# Altium PCB STM PCB.PcbDoc (part 2 of 3) (continued)
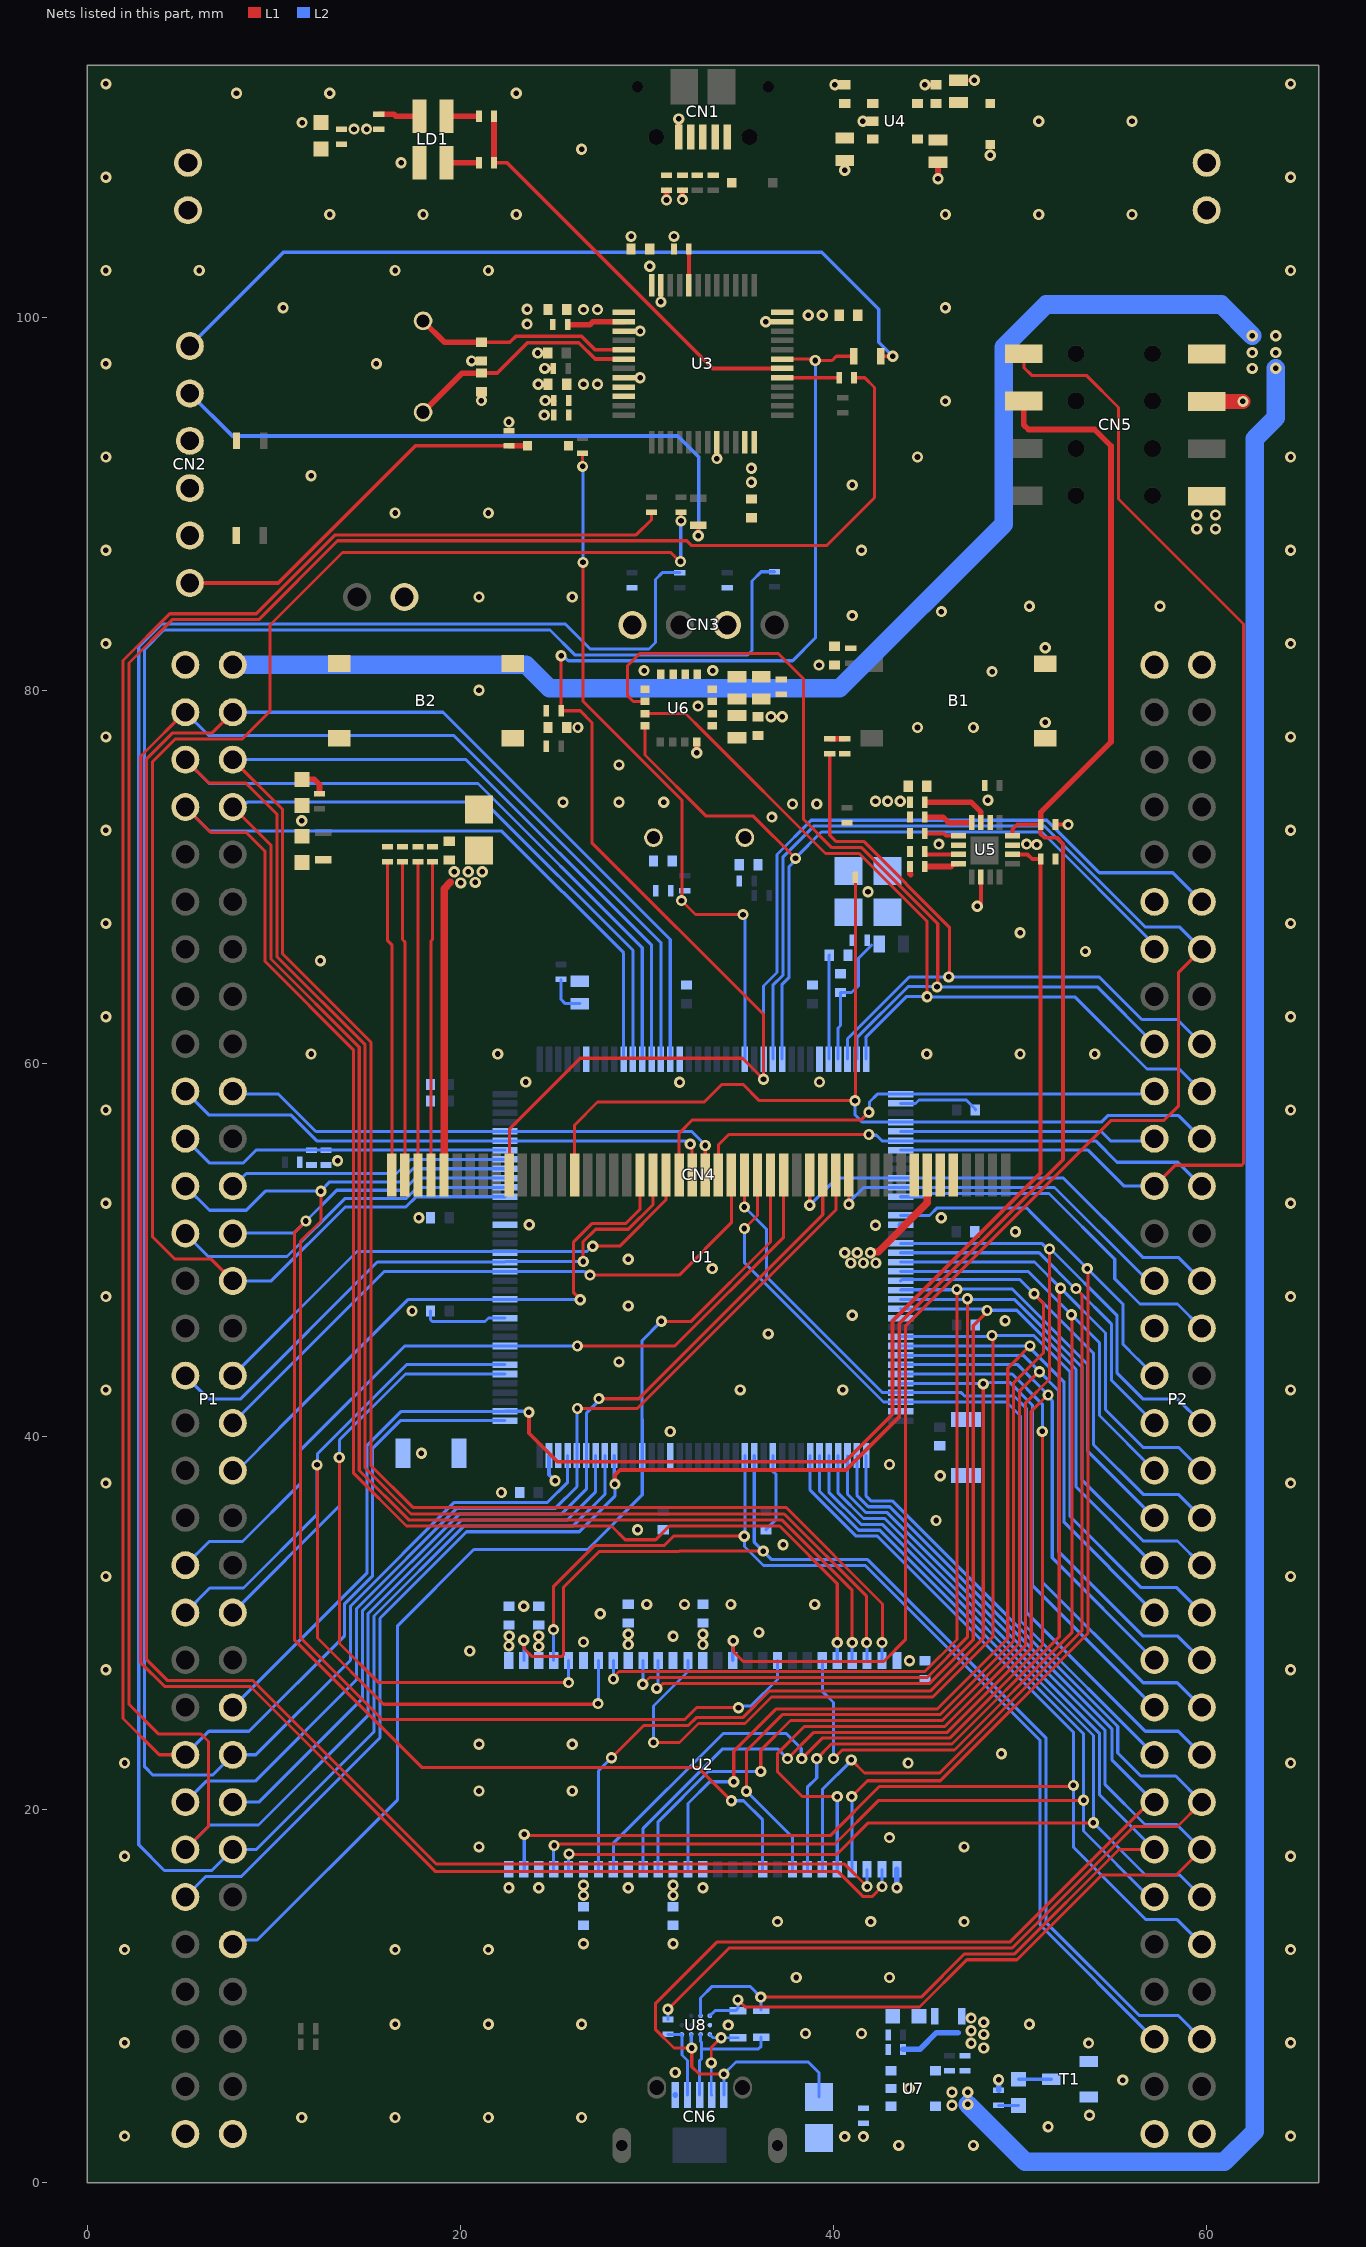
[diagram p4: the nets of this part, all layers, seen from the top]
## Nets (pads, with @x,y where several pads share a name; then routed paths per layer and width w, separated by ;. In a path a pad name is that pad's centre, name@x,y a point inside that pad or via, vN(x,y) a via of type N, cw(c..) or ccw(c..) an arc to the next point about the centre after c; other vN are vias at no path point)
3V: C23.2 C24.2 C25.2 C26.2 C27.2 C28.2 C29.2 C38.2 C39.2 C40.2 C41.2 C42.2 C43.2 C44.2 C45.2 C46.2 C52.2 CN3.1 CN4.6 CN4.7 CN4.8 CN4.44 CN5.5 D1.1 JP3.1 P2.1 P2.2 R4.2 R6.1 R12.2 R13.2 R24.2 R25.2 R26.2 R29.1 R38.2 R39.2 R40.2 R43.2 SB10.2 SB15.2 U2.1 U2.3 U2.9 U2.14 U2.27 U2.43 U2.49 U3.1 U3.9 U3.24 U3.36 U3.48 U5.3 U5.6 U5.14 U6.1 U6.15 U6.16 | length 29.7
  L1 w0.2: v1(47.7,68.425) 47.9,68.625 U5.14@47.9,70 ; R24.2@51.9,72.8 v1(52.575,72.8)
  L1 w0.3: v1(24.525,97.25) R4.2@24.975,97.25 ; v1(24.55,95.525) R6.1@25,95.525 ; v1(31.9,106.3) R12.2@31.9,106.8 ; v1(32.675,76.65) U6.1@32.675,77.225
  L1 w0.4: CN4.44@19.125,54.025 19.125,69.37 19.453,69.698 ; v1(41.977,49.85) 42.015,49.888 42.388,49.888 45.025,52.525 CN4.7@45.025,54.025
  L2 w0.3: R40.2@43.725,7.15 44.625,7.15 45.525,8.05 46.675,8.05 ; R43.2@48.85,4.95 v1(48.85,5.525)
  other v1: 48.05,7.225 47.375,7.475 48.05,7.95 47.375,8.15 48.05,8.6 47.375,8.825 26.6,15.4 31.4,15.4 26.6,15.95 31.4,15.95 44.075,27.975 24.2,28.75 22.6,28.775 29,28.85 33,28.85 22.625,29.3 24.2,29.3 29,29.4 33,29.4 40.925,49.3 41.6,49.3 42.275,49.3 40.6,49.85 41.275,49.85 20.025,69.675 20.8,69.7 19.675,70.275 20.425,70.275 21.175,70.275 50.897,71.725 50.35,71.75 42.25,74.05 42.9,74.05 43.575,74.05 48.275,74.1 36.65,78.575 37.25,78.575 59.475,88.65 60.475,88.65 59.475,89.4 60.475,89.4 35.6,91.15 35.6,91.9 26.6,96.4 27.35,96.4 38.65,100.1 39.4,100.1 26.6,100.4 27.35,100.4 30.15,102.725 48.4,108.675 14.3,110.075 14.975,110.075
5V: CN5.8 P1.1 P1.2 U7.5 | length 182.2
  L2 w1: P1.2@7.8,81.36 23.515,81.36 24.775,80.1 40.325,80.1 49.125,88.9 49.125,98.4 51.4,100.675 60.775,100.675 v1(62.45,99) ; v1(47.2,4.2) 50.275,1.125 60.95,1.125 62.575,2.75 62.575,93.475 63.701,94.601 v1(63.701,97.257)
  other v1: 46.35,4.15 46.35,4.85 47.2,4.85 62.45,97.25 62.45,98.1 63.7,98.1 63.7,99
A0: P1.7 U1.10 U2.23 | length 106.1
  L1 w0.165: P1.7@5.26,73.74 6.625,72.375 8.525,72.375 9.53,71.37 9.53,65.468 14.265,60.733 14.265,38.049 17.114,35.2 28.1,35.2 28.833,34.468 30.467,34.468 31.2,35.2 37.114,35.2 40.2,32.114 v1(40.2,28.95)
  L2 w0.165: P1.7@5.26,73.74 6.55,72.45 22.223,72.45 28.75,65.923 U1.10@28.75,60.225 ; U2.23@40.2,28 v1(40.2,28.95)
A1: P1.8 U1.11 U2.24 | length 101.9
  L1 w0.165: P1.8@7.8,73.74 9.845,71.695 9.845,65.598 14.58,60.863 14.58,38.179 17.227,35.533 37.227,35.533 41,31.759 v1(41,28.95)
  L2 w0.165: P1.8@7.8,73.74 8.03,73.97 8.545,73.97 8.576,74 21.309,74 29.25,66.059 U1.11@29.25,60.225 ; U2.24@41,28 v1(41,28.95)
A2: P1.5 U1.12 U2.25 | length 110.9
  L1 w0.165: P1.5@5.26,76.28 6.515,75.025 8.5,75.025 10.16,73.365 10.16,65.729 14.895,60.994 14.895,38.31 17.357,35.848 37.357,35.848 41.775,31.43 v1(41.775,28.95)
  L2 w0.165: P1.5@5.26,76.28 6.54,75 20.946,75 29.75,66.196 U1.12@29.75,60.225 ; v1(41.775,28.95) 41.8,28.925 U2.25@41.8,28
A3: P1.6 U1.13 U2.26 | length 107.1
  L1 w0.165: P1.6@7.8,76.28 10.475,73.605 10.475,65.859 15.21,61.124 15.21,38.44 17.45,36.2 37.45,36.2 42.625,31.025 42.625,28.975 v1(42.6,28.95)
  L2 w0.165: P1.6@7.8,76.28 20.302,76.28 30.25,66.332 U1.13@30.25,60.225 ; U2.26@42.6,28 v1(42.6,28.95)
A4: P1.3 U1.14 U2.29 | length 134.9
  L1 w0.165: P1.3@5.26,78.82 5.225,78.82 3.045,76.64 2.87,76.465 2.87,27.88 4.15,26.6 8.75,26.6 18.675,16.675 40.247,16.675 41.587,15.335 42.06,15.335 v1(42.604,15.879)
  L2 w0.165: P1.3@5.26,78.82 6.505,77.575 19.643,77.575 30.75,66.468 U1.14@30.75,60.225 ; v1@42.6,15.882 U2.29@42.6,16.8
A5: P1.4 U1.15 U2.30 | length 133.4
  L1 w0.165: P1.4@7.8,78.82 6.68,77.7 4.55,77.7 3.185,76.335 3.185,28.04 4.31,26.915 8.885,26.915 18.725,17.075 40.6,17.075 v1(41.8,15.875)
  L2 w0.165: P1.4@7.8,78.82 19.07,78.82 31.25,66.64 U1.15@31.25,60.225 ; v1(41.8,15.875) U2.30@41.8,16.8
A6: P2.31 U1.50 U2.31 | length 58.5
  L1 w0.165: v1(40.975,20.7) 41.825,21.55 45.728,21.55 53.637,29.459 53.637,48.963 v1(53.6,49)
  L2 w0.165: v1(40.975,20.7) 41,20.675 U2.31@41,16.8 ; U1.50@43.6,51.85 45.147,51.85 45.554,52.257 50.343,52.257 50.654,51.946 v1(53.6,49) 55.525,47.075 55.525,44.93 56.27,44.185 56.275,44.185 P2.31@57.2,43.26
A7: P2.34 U1.53 U2.32 | length 68
  L1 w0.165: v1(40.2,20.7) 38.325,20.7 37.004,22.021 37.004,23.029 38.435,24.46 45.965,24.46 50.285,28.78 50.285,41.788 51.577,43.08 v1(51.577,50.048)
  L2 w0.165: U2.32@40.2,16.8 v1(40.2,20.7) ; U1.53@43.6,50.35 51.157,50.35 51.459,50.048 v1(51.577,50.048) ; v1@51.628,50.05 55.205,46.473 55.205,43.395 56.6,42 58.46,42 P2.34@59.74,40.72
A8: P2.33 U1.54 U2.33 | length 60
  L1 w0.165: v1(40.95,22.667) 40.958,22.667 41.658,21.967 45.7,21.967 53.322,29.589 53.322,47.436 53.322,47.603 v1(53,47.925)
  L2 w0.165: U2.33@39.4,16.8 39.4,21.075 40.95,22.625 v1(40.95,22.667) ; U1.54@43.6,49.85 51.022,49.85 52.947,47.925 53.05,47.925 53.05,47.875 54.89,46.035 54.89,43.03 P2.33@57.2,40.72
A9: P2.36 U1.55 U2.34 | length 63.7
  L1 w0.165: v1(39.1,22.733) 39.882,23.515 46.356,23.515 52.1,29.259 52.1,47.875 v1(52.172,47.947)
  L2 w0.165: U2.34@38.6,16.8 38.6,21.2 39.1,21.7 v1(39.1,22.733) ; U1.55@43.6,49.35 50.769,49.35 v1(52.172,47.947) ; v1@52.175,47.947 52.175,47.944 54.575,45.544 54.575,41.441 56.616,39.4 58.52,39.4 P2.36@59.74,38.18
A10: P2.35 U1.56 U2.22 | length 58.4
  L1 w0.165: v1(40,22.733) 40.467,23.2 46.487,23.2 52.789,29.502 52.789,46.486 v1(52.75,46.525)
  L2 w0.165: U2.22@39.4,28 39.4,26.343 40,25.743 v1(40,22.733) ; U1.56@43.6,48.85 50.425,48.85 54.255,45.02 54.255,41.125 P2.35@57.2,38.18
A11: P2.38 U1.57 U2.35 | length 67.9
  L1 w0.165: v1(35.334,20.983) 35.334,23.162 37.261,25.09 45.704,25.09 49.655,29.041 49.655,42.883 51.25,44.478 51.25,47.15 v1(50.75,47.65)
  L2 w0.165: v1(35.334,20.983) 37.8,18.517 U2.35@37.8,16.8 ; U1.57@43.6,48.35 43.665,48.415 49.985,48.415 53.94,44.46 53.94,39.56 56.6,36.9 58.48,36.9 P2.38@59.74,35.64
AIN_1: D3.1 R6.2 R7.2 U3.10
B2: CN4.29 P1.36 U1.122 | length 31.6
  L1 w0.165: v1(26.425,47.325) 26.425,47.359 26.055,47.729 26.055,50.405 27.075,51.425 28.875,51.425 29.625,52.175 CN4.29@29.625,54.025
  L2 w0.165: P1.36@8.05,38.175 10.3,40.425 10.3,40.436 17.214,47.35 26.4,47.35 v1(26.425,47.325)
B3: CN4.28 P1.31 U1.126 | length 32.1
  L1 w0.165: v1(26.588,49.382) 26.567,49.403 26.567,50.421 27.257,51.11 29.005,51.11 30.325,52.43 CN4.28@30.325,54.025
  L2 w0.165: P1.31@5.26,43.26 6.52,42 8.2,42 15.55,49.35 U1.126@22.4,49.35 22.438,49.388 26.582,49.388 v1(26.588,49.382)
B4: CN4.27 P1.32 U1.127 | length 28.5
  L1 w0.165: v1(27.1,50.2) 28.541,50.2 31.024,52.683 CN4.27@31.024,54.024
  L2 w0.165: P1.32@7.8,43.26 14.455,49.915 24.785,49.915 26.786,49.915 27.071,50.2 v1(27.1,50.2)
B5: CN4.26 P2.19 U1.37 | length 28.9
  L1 w0.165: CN4.26@31.725,54.025 31.725,56.25 32.445,56.97 41.487,56.97 v1(41.9,57.383)
  L2 w0.165: v1(41.9,57.383) 41.93,57.413 41.93,57.93 42.35,58.35 57.05,58.35 P2.19@57.2,58.5
B6: CN4.25 P1.19 U1.139 | length 29.9
  L1 w0.165: v1(32.323,55.673) 32.323,55.556 32.425,55.454 CN4.25@32.425,54.025
  L2 w0.165: P1.19@5.26,58.5 6.535,57.225 10.934,57.225 12.309,55.85 32.029,55.85 32.206,55.673 v1(32.323,55.673)
B7: CN4.24 P1.20 U1.140 | length 28.1
  L1 w0.165: CN4.24@33.125,54.025 v1(33.125,55.6)
  L2 w0.165: P1.20@7.8,58.5 7.947,58.352 10.252,58.352 12.255,56.35 U1.140@22.4,56.35 32.4,56.35 33.125,55.625 v1(33.125,55.6)
BOOT0: P1.21 R1.2 SB2.2 U1.138 | length 18
  L2 w0.165: P1.21@5.26,55.96 6.57,54.65 8.35,54.65 9.05,55.35 R1.2@12.025,55.35 SB2.2@12.8,55.35 U1.138@22.4,55.35
D0: P2.60 U1.85 U2.2 | length 64.5
  L1 w0.165: v1(23.4,29.075) 23.409,29.066 23.409,28.639 23.848,28.2 25.428,28.2 25.525,28.297 25.525,31.925 27.437,33.837 31.725,33.837 31.742,33.855 v1(36.23,33.855)
  L2 w0.165: U2.2@23.4,28 v1(23.4,29.075) ; U1.85@35.75,38.975 35.75,34.334 36.125,33.959 36.125,33.855 v1(36.23,33.855) 36.684,33.4 41.832,33.4 51.38,23.852 51.38,13.965 56.37,8.975 58.465,8.975 P2.60@59.74,7.7
D1: P2.59 U1.86 U2.4 | length 59
  L1 w0.165: v1(24.993,29.65) 25,29.657 25,31.975 27.177,34.152 30.919,34.152 31.424,34.657 v1(35.218,34.657)
  L2 w0.165: U2.4@25,28 v1@25,29.642 ; v1(35.218,34.657) 35.229,34.646 35.229,34.103 36.246,33.085 41.701,33.085 51.065,23.721 51.065,13.835 P2.59@57.2,7.7 ; v1@35.229,34.604 35.283,34.657 35.25,34.69 U1.86@35.25,38.975
D2: P1.42 U1.114 U2.5 | length 46.3
  L1 w0.165: v1(13.507,38.875) 13.525,38.857 13.525,28.9 15.618,26.808 v1(25.8,26.808)
  L2 w0.165: P1.42@7.8,30.56 13.525,36.285 13.525,39.818 17.057,43.35 U1.114@22.4,43.35 ; v1(25.8,26.808) U2.5@25.8,28
D3: P1.41 U1.115 U2.7 | length 52.7
  L1 w0.165: v1(12.317,38.475) 12.339,38.454 12.339,29.195 15.884,25.65 27.342,25.65 v1(27.375,25.683)
  L2 w0.165: P1.41@5.26,30.56 6.575,31.875 8.375,31.875 12.328,35.828 12.328,38.464 v1(12.317,38.475) ; v1@12.328,38.475 12.338,38.485 12.338,39.077 17.111,43.85 U1.115@22.4,43.85 ; v1(27.375,25.683) 27.4,25.708 U2.7@27.4,28
D4: P2.37 U1.58 U2.8 | length 60.5
  L1 w0.165: v1(28.2,27) 28.2,27.1 28.5,27.4 44.895,27.4 46.616,29.121 v1(46.616,47.883)
  L2 w0.165: v1(28.2,27) U2.8@28.2,28 ; U1.58@43.6,47.85 43.616,47.866 46.6,47.866 v1(46.616,47.883) ; v1@46.633,47.883 46.665,47.915 49.567,47.915 53.625,43.857 53.625,39.215 P2.37@57.2,35.64
D5: P2.40 U1.59 U2.10 | length 63.5
  L1 w0.165: v1(29.775,26.725) 30.135,27.085 45.026,27.085 47.175,29.234 v1(47.175,47.383)
  L2 w0.165: v1(29.775,26.725) 29.8,26.75 U2.10@29.8,28 ; U1.59@43.6,47.35 47.143,47.35 v1(47.175,47.383) ; v1@47.175,47.35 49.686,47.35 53.31,43.726 53.31,37.69 56.6,34.4 58.44,34.4 P2.40@59.74,33.1
D6: P2.39 U1.60 U2.11 | length 60.5
  L1 w0.165: v1(30.525,26.5) 30.589,26.5 30.839,26.75 45.136,26.75 47.492,29.106 47.492,45.938 48.234,46.68 v1(48.234,46.751)
  L2 w0.165: v1(30.525,26.5) 30.6,26.575 U2.11@30.6,28 ; U1.60@43.6,46.85 43.617,46.833 47.867,46.833 47.869,46.831 48.155,46.831 v1(48.234,46.751) ; v1@48.25,46.767 49.824,46.767 52.995,43.596 52.995,37.305 P2.39@57.2,33.1
D7: P2.42 U1.63 U2.13 | length 68.7
  L1 w0.165: v1(30.35,23.6) 31.75,23.6 32.766,24.616 35.258,24.616 36.678,26.035 45.312,26.035 48.558,29.28 48.558,45.352 v1(48.497,45.412)
  L2 w0.165: v1(30.35,23.6) 30.35,25.55 32.199,27.399 U2.13@32.199,27.999 ; U1.63@43.6,45.35 48.435,45.35 v1(48.497,45.412) 50.733,45.412 52.68,43.465 52.68,42.615 52.68,35.72 56.5,31.9 58.4,31.9 P2.42@59.74,30.56
D8: P2.41 U1.64 U2.42 | length 65.6
  L1 w0.165: v1(34.655,21.492) 34.655,23.122 36.938,25.405 45.573,25.405 49.34,29.172 49.34,43.665 v1(50.534,44.859)
  L2 w0.165: U2.42@32.2,16.8 32.2,20.325 33.367,21.492 v1(34.655,21.492) ; U1.64@43.6,44.85 v1@50.525,44.85 ; v1@50.529,44.854 50.6,44.925 50.6,44.854 50.6,44.679 52.365,42.914 52.365,35.395 P2.41@57.2,30.56
D9: P2.44 U1.65 U2.44 | length 69.5
  L1 w0.165: v1(36.1,22.05) 36.1,23.176 37.699,24.775 45.834,24.775 49.97,28.911 49.97,42.145 49.975,42.15 49.975,42.45 51,43.475 v1(51.044,43.475)
  L2 w0.165: U2.44@30.6,16.8 30.6,19.35 33.3,22.05 v1(36.1,22.05) ; U1.65@43.6,44.35 50.175,44.35 51.05,43.475 51.05,43.469 52.05,42.469 52.05,33.85 56.6,29.3 58.46,29.3 P2.44@59.74,28.02
D10: P2.43 U1.66 U2.45 | length 66.5
  L1 w0.165: v1(37.536,22.733) 38.948,24.145 46.095,24.145 50.6,28.65 50.6,41.35 51.475,42.225 v1(51.5,42.225)
  L2 w0.165: U2.45@29.8,16.8 29.8,18.995 34.065,23.261 37.009,23.261 v1(37.536,22.733) ; U1.66@43.6,43.85 49.875,43.85 51.583,42.142 51.583,42.053 51.725,41.911 51.725,33.495 P2.43@57.2,28.02
D11: P2.46 U1.67 U2.47 | length 70.7
  L1 w0.165: v1(38.3,22.733) 39.397,23.83 46.226,23.83 51.192,28.797 v1(51.192,40.275)
  L2 w0.165: U2.47@28.2,16.8 28.2,18.2 34.083,24.083 37.467,24.083 38.269,23.281 38.269,22.764 v1(38.3,22.733) ; U1.67@43.6,43.35 49.575,43.35 51.192,41.733 v1(51.192,40.275) ; v1@51.198,40.198 51.198,32.202 56.6,26.8 58.42,26.8 P2.46@59.74,25.48
D12: P2.45 U1.68 U2.48 | length 69
  L1 w0.165: v1(28.1,22.78) 29.83,24.51 32.215,24.51 32.635,24.931 35.128,24.931 36.547,26.35 45.182,26.35 48.025,29.193 v1(48.025,42.817)
  L2 w0.165: U2.48@27.4,16.8 27.4,22.08 v1(28.1,22.78) ; U1.68@43.6,42.85 47.992,42.85 v1(48.025,42.817) 48.108,42.9 v1@48.242,42.9 ; v1@48.3,42.875 48.325,42.9 49.45,42.9 50.66,41.69 50.66,32.02 P2.45@57.2,25.48
D13: P2.54 U1.77 U2.50 | length 63.4
  L1 w0.165: v1(25.825,17.625) 25.857,17.593 40.168,17.593 41.868,19.292 v1(53.933,19.292)
  L2 w0.165: U2.50@25.825,16.825 U2.50@25.8,16.8 25.8,17.6 v1(25.825,17.625) ; U1.77@39.75,38.975 39.75,37.018 41.478,35.29 42.615,35.29 53.933,23.972 53.933,20.728 53.94,20.721 53.94,20.111 53.933,20.103 v1(53.933,19.292) 56.725,16.5 58.56,16.5 P2.54@59.74,15.32
D14: P2.53 U1.78 U2.51 | length 62.6
  L1 w0.165: v1(25.025,18.075) 25.107,18.157 40.082,18.157 42.425,20.5 v1(53.408,20.5)
  L2 w0.165: U2.51@25,16.8 25,18.05 v1(25.025,18.075) ; U1.78@39.25,38.975 39.25,37.073 41.348,34.975 42.484,34.975 53.408,24.052 v1(53.408,20.5) ; v1@53.4,20.5 53.4,18.85 56.93,15.32 P2.53@57.2,15.32
D15: P2.56 U1.79 U2.53 | length 69
  L1 w0.165: v1(23.425,18.675) 23.492,18.608 39.833,18.608 42.46,21.235 52.793,21.235 v1(52.858,21.3)
  L2 w0.165: U2.53@23.4,16.8 23.425,16.825 v1(23.425,18.675) ; U1.79@38.75,38.975 38.75,37.127 41.217,34.66 42.354,34.66 52.875,24.139 52.875,21.317 v1(52.858,21.3) 52.858,17.994 56.751,14.1 58.42,14.1 P2.56@59.74,12.78
G2: CN4.23 P2.24 U1.42 | length 28.9
  L1 w0.165: CN4.23@33.825,54.025 33.825,55.621 34.389,56.186 v1(41.9,56.186)
  L2 w0.165: v1(41.9,56.186) 41.94,56.146 42.304,56.146 42.6,55.85 54.05,55.85 55.2,54.7 58.46,54.7 P2.24@59.74,53.42
G3: CN4.22 P1.34 U1.125 | length 33.9
  L1 w0.165: v1(26.95,48.65) 31.725,48.65 34.525,51.45 CN4.22@34.525,54.025
  L2 w0.165: P1.34@7.8,40.72 15.93,48.85 26.636,48.85 26.836,48.65 v1(26.95,48.65)
G4: CN4.21 P2.48 U1.69 | length 46.3
  L1 w0.165: v1(35.225,52.3) CN4.21@35.225,54.025
  L2 w0.165: v1(35.225,52.3) 36.4,51.125 36.4,48.575 42.625,42.35 46.846,42.35 47.021,42.175 49.675,42.175 50.34,41.51 50.34,30.576 56.716,24.2 58.48,24.2 P2.48@59.74,22.94
G5: CN4.20 P2.47 U1.70 | length 44.3
  L1 w0.165: v1(35.225,51.15) 35.925,51.85 CN4.20@35.925,54.025
  L2 w0.165: v1(35.225,51.15) 35.225,49.305 42.68,41.85 49.275,41.85 50.025,41.1 50.025,30.115 P2.47@57.2,22.94
G6: CN4.19 P1.56 U1.97 | length 58.3
  L1 w0.165: v1(30.775,46.175) 32.375,46.175 36.625,50.425 CN4.19@36.625,54.025
  L2 w0.165: P1.56@7.8,12.78 8.03,13.01 9.11,13.01 16.635,20.535 16.635,29.86 20.722,33.947 26.825,33.947 29.75,36.873 U1.97@29.75,38.975 29.75,40.947 29.742,40.954 29.742,45.142 v1(30.775,46.175)
G7: CN4.18 P1.39 U1.117 | length 43.7
  L1 w0.165: v1(26.273,44.85) 31.495,44.85 37.325,50.68 CN4.18@37.325,54.025
  L2 w0.165: P1.39@5.26,33.1 6.535,34.375 8.325,34.375 11.425,37.475 11.425,39.255 17.02,44.85 v1(26.273,44.85)
GND: B1.2 B1.3 B2.2 B2.3 C1.1 C3.2 C5.2 C6.1 C7.1 C8.1 C9.1 C10.1 C11.1 C12.1 C13.1 C14.1 C15.1 C16.1 C17.1 C18.1 C19.2 C20.1 C21.1 C22.1 C23.1 C24.1 C25.1 C26.1 C27.1 C28.1 C29.1 C30.2 C31.2 C32.2 C33.1 C34.1 C35.1 C36.1 C37.1 C38.1 C39.1 C40.1 C41.1 C42.1 C43.1 C44.1 C45.1 C46.1 C48.1 C49.1 C50.1 C51.2 C52.1 CN1.5 CN2.3 CN3.3 CN4.5 CN5.7 CN6.5 JP1.1 JP1.2 JP2.1 JP2.2 LD1.1 LD2.2 LD3.2 LD4.2 P1.63 P1.64 P2.11 P2.29 P2.63 P2.64 R3.1 R7.1 R8.2 R14.2 R15.2 R20.1 R27.2 R28.2 R30.2 R31.2 R32.1 R37.2 R44.1 SB2.1 SB18.2 SB20.1 SB21.1 SB22.1 SB23.1 T1.1 T1.2 U1.16 U1.31 U1.38 U1.51 U1.61 U1.83 U1.94 U1.107 U1.120 U1.130 U2.6 U2.12 U2.28 U2.41 U2.46 U2.52 U2.54 U3.3 U3.8 U3.20 U3.23 U3.35 U3.47 U4.2 U5.10 U6.8 U6.9 U6.10 U6.11 U6.12 U6.13 U7.2 U8.D2 | length 30.1
  L1 w0.165: v1(21.125,95.525) C30.2@21.125,96
  L1 w0.2: v1(20.6,97.65) C31.2@21.125,97.65 ; v1(24.15,98.075) C37.1@24.675,98.075 ; v1(24.175,96.4) C38.1@24.7,96.4 ; U3.8@28.75,96.75 v1(29.633,96.75) ; U3.3@28.75,99.25 v1(29.633,99.25) ; v1(30.75,100.817) U3.47@30.75,101.7 ; v1(33.75,92.417) U3.20@33.75,93.3 ; v1(36.367,99.75) U3.35@37.25,99.75 ; v1(40.075,112.45) C36.1@40.6,112.45 ; v1(40.6,107.875) C33.1@40.6,108.4 ; v1(41.575,110.5) U4.2@42.1,110.5 ; C34.1@46.7,112.7 v1(47.55,112.7)
  L1 w0.3: v1(23.575,100.425) v1@23.588,100.412 ; C52.1@24.688,100.412 C52.1@24.7,100.4 ; v1(31.05,106.275) R15.2@31.05,106.8 R15.2@31.075,106.8 ; CN1.5@31.7,109.65 v1(31.7,110.625) ; R27.2@44.1,70.55 44.1,70.169 44.145,70.124 ; v1(44.9,112.45) C35.1@45.5,112.45 ; v1(45.6,107.42) C32.2@45.6,108.3
  L1 w0.4: LD2.2@12.523,110.422 LD2.2@12.525,110.42 ; v1@16.819,108.275 v1(16.824,108.27)
  L1 w0.8: CN5.7@60,95.48 v1(61.945,95.48)
  L2 w0.165: C15.1@18.4,46.725 18.4,46.265 18.5,46.165 21.319,46.165 21.504,46.35 U1.120@22.4,46.35 ; C16.1@36.375,35 36.908,35.533 36.908,37.988 36.75,38.146 U1.83@36.75,38.975 ; U1.38@43.6,57.85 44.396,57.85 44.581,58.035 47.115,58.035 47.6,57.55 C13.1@47.6,57.5
  L2 w0.2: U1.107@24.75,38.975 24.75,37.95 v1(25.075,37.625)
  L2 w0.3: CN6.5@31.516,4.709 CN6.5@31.525,4.7 ; v1(43.4,15.814) U2.28@43.4,16.8 ; U1.51@43.575,51.325 U1.51@43.6,51.35 ; v1@53.675,3.669 v1(53.724,3.62)
  other v1: 43.5,2 47.5,2 40.6,2.475 41.6,2.475 2,2.5 64.5,2.5 51.5,3 11.5,3.5 16.5,3.5 21.5,3.5 26.5,3.5 44.061,5.05 55.5,5.5 31.516,5.909 2,7.5 53.675,7.486 64.5,7.5 38.5,8 41.5,8 34.361,8.45 16.5,8.5 21.5,8.5 26.5,8.5 50.5,8.5 38,11 43,11 2,12.5 16.5,12.5 21.5,12.5 64.5,12.5 26.6,12.814 31.4,12.814 37,14 42,14 47,14 22.6,15.814 24.2,15.814 29,15.814 33,15.814 2,17.5 64.5,17.5 21,18 47,18 43,18.5 21,21 26,21 2,22.5 44,22.5 64.5,22.5 49,23 21,23.5 26,23.5 1,27.5 64.5,27.5 20.5,28.5 26.6,28.986 31.4,29.292 36,29.5 27.5,30.5 23.4,30.9 29.986,31 32.014,31 34.5,31 39,31 1,32.5 64.5,32.5 37.3,34.2 29.5,35 45.5,35.5 22.2,37 1,37.5 64.5,37.5 45.725,37.9 43,38.5 17.911,39.1 31.25,40.267 1,42.5 35,42.5 40.5,42.5 64.5,42.5 28.5,44 36.5,45.5 49.2,46.2 41,46.5 17.414,46.725 29,47 1,47.5 64.5,47.5 33.5,49 29,49.5 49.75,50.975 42.25,51.325 23.692,51.35 17.775,51.725 45.775,51.725 1,52.5 64.5,52.5 13.417,54.775 1,57.5 64.5,57.5 31.75,58.984 23.5,59 39.25,59 12,60.5 22,60.5 45,60.5 50,60.5 54,60.5 1,62.5 64.5,62.5 12.5,65.5 53.5,66 50,67 1,67.5 64.5,67.5 41.85,69.2 45.65,71.75 1,72.5 64.5,72.5 11.5,73 36.7,73.2 37.8,73.9 39.1,73.9 25.5,74 28.5,74 30.9,74 28.5,76 1,77.5 64.5,77.5 26.3,78 44.5,78 47.5,78 51.35,78.275 32.738,79.15 21,80 48.5,81 29.85,81.05 33.525,81.05 39.225,81.35 51.35,82.275 1,82.5 64.5,82.5 41,84 45.784,84.216 50.5,84.5 57.5,84.5 21,85 26,85 1,87.5 41.5,87.5 64.5,87.5 16.5,89.5 21.5,89.5 41,91 12,91.5 1,92.5 44.5,92.5 64.5,92.5 22.6,94.375 24.5,94.75 46,95.5 1,97.5 15.5,97.5 23.575,99.625 10.5,100.5 46,100.5 1,102.5 6,102.5 16.5,102.5 21.5,102.5 64.5,102.5 29.15,104.325 31.45,104.325 13,105.5 18,105.5 23,105.5 46,105.5 51,105.5 56,105.5 1,107.5 64.5,107.5 26.5,109 11.519,110.425 51,110.5 56,110.5 8,112 13,112 23,112 1,112.5 64.5,112.5
LED_STLINK: R10.1 R11.1 U3.30 | length 22.5
  L1 w0.2: R10.1@21.8,108.27 22.505,108.27 33.525,97.25 U3.30@37.25,97.25
  L1 w0.3: R10.1@21.8,108.27 R11.1@21.8,110.77
MCO: SB4.2 SB5.1 SB8.2 U1.23 | length 37.6
  L1 w0.165: v1(26.55,92) SB8.2@26.55,92.7 ; v1(26.575,86.85) 26.575,79.409 31.883,74.102 31.883,68.758 v1(31.85,68.725) 32.6,67.975 v1(35.15,67.975)
  L2 w0.165: v1(26.55,92) 26.562,91.987 26.562,86.862 v1(26.575,86.85) ; v1(35.15,67.975) 35.15,67.857 35.25,67.757 U1.23@35.25,60.225
NetB2_1: B2.1 B2.4 C50.2 R35.1 SB24.2
NetC1_2: C1.2 C2.2 L1.2 SB3.2 U1.33 | length 7.2
  L2 w0.165: U1.33@40.25,60.225 40.25,61.9 40.375,62.025 C2.2@40.375,63.8 40.962,63.8 41.35,64.188 41.35,65.65 42.035,66.335
NetC2_1: C2.1 C4.2
NetC3_1: C3.1 C4.1 SB3.1 U1.32 | length 5.6
  L2 w0.165: U1.32@39.75,60.225 39.75,65.775 C4.1@39.775,65.8
NetC5_1: C5.1 SB5.2 X1.2
NetC19_1: C19.1 R2.2 X1.1
NetC20_2: C20.2 SB6.1 U1.6 | length 2.2
  L2 w0.165: SB6.1@25.4,64.5 25.4,63.425 25.625,63.2 C20.2@26.4,63.2
NetC21_2: C21.2 U1.71
NetC22_2: C22.2 U1.106
NetC30_1: C30.1 U3.6 X2.1 | length 12.7
  L1 w0.2: C30.1@21.125,97 21.975,97 23.6,98.625 26.35,98.625 27.225,97.75 U3.6@28.75,97.75
  L1 w0.3: X2.1@18,94.9 20.1,97 C30.1@21.125,97
NetC31_1: C31.1 U3.5 X2.2 | length 11.7
  L1 w0.2: C31.1@21.125,98.65 22.65,98.65 22.975,98.975 26.495,98.975 27.22,98.25 U3.5@28.75,98.25
  L1 w0.3: X2.2@18,99.8 19.15,98.65 C31.1@21.125,98.65
NetC32_1: C32.1 U4.4
NetC33_2: C33.2 C36.2 U4.1 U4.3
NetC34_2: C34.2 C35.2 D1.2 U4.5
NetC47_1: C47.1 R32.2
NetC47_2: C47.2 C48.2 U6.14
NetC49_2: C49.2 R36.1
NetCN1_1: CN1.1 D2.2
NetCN1_2: CN1.2 SB11.1
NetCN1_3: CN1.3 R12.1 SB12.1
NetCN1_4: CN1.4 R15.1
NetCN2_1: CN2.1 D3.2 R14.1 | length 21.1
  L1 w0.2: CN2.1@5.5,85.75 10.238,85.75 17.588,93.1 R14.1@22.6,93.1
  L1 w0.3: R14.1@22.6,93.1 D3.2@23.6,93.1
NetCN2_2: CN2.2 R16.1
NetCN2_4: CN2.4 R17.1
NetCN2_5: CN2.5 R18.1 | length 33.5
  L1 w0.2: v1(32.75,88.28) R18.1@32.75,88.85
  L2 w0.2: CN2.5@5.5,95.91 7.785,93.625 31.65,93.625 32.775,92.5 32.775,88.305 v1(32.75,88.28)
NetCN2_6: CN2.6 R19.1 | length 43.8
  L1 w0.2: R19.1@42.525,97.9 v1(43.175,97.9)
  L2 w0.2: CN2.6@5.5,98.45 10.525,103.475 39.375,103.475 42.425,100.425 42.425,98.65 v1(43.175,97.9)
NetCN4_45: CN4.45 SB20.2 | length 16.8
  L1 w0.165: CN4.45@18.425,54.025 18.425,66.556 18.5,66.631 SB20.2@18.5,70.8
NetCN4_46: CN4.46 SB21.2 | length 16.8
  L1 w0.165: CN4.46@17.725,54.025 SB21.2@17.725,70.8
NetCN4_47: CN4.47 SB22.2 | length 16.8
  L1 w0.165: SB22.2@16.9,70.8 16.9,66.637 17.025,66.512 CN4.47@17.025,54.025
NetCN4_48: CN4.48 SB23.2 | length 16.9
  L1 w0.165: SB23.2@16.1,70.8 16.1,66.575 16.325,66.35 CN4.48@16.325,54.025
NetCN6_2: CN6.2 R41.2 U8.D3 | length 4.9
  L1 w0.15: v1(33.45,6.425) 33.45,7.25 v1(33.975,7.775)
  L2 w0.15: U8.D3@33.375,7.95 33.55,7.775 v1(33.975,7.775) R41.2@34.875,7.775 ; v1(33.45,6.425) 33.45,4.725 CN6.2@33.475,4.7
NetCN6_3: CN6.3 R42.2 U8.C3 | length 7
  L2 w0.165: CN6.3@32.825,4.7 32.825,6.553 32.932,6.661 32.932,7.173 ; U8.C3@32.875,7.95 32.875,7.579 32.932,7.521 32.932,7.173 ; R42.2@36.125,7.8 36.125,7.325 35.973,7.173 32.932,7.173
NetCN6_4: CN6.4 SB28.2 U8.A3 | length 4.1
  L2 w0.15: SB28.2@31.125,7.95 31.817,7.95 U8.A3@31.875,7.95 31.875,6.85 32.175,6.55 CN6.4@32.175,4.7
NetLD1_2: LD1.2 R10.2 | length 1.7
  L1 w0.3: LD1.2@19.25,108.27 R10.2@21,108.27
NetLD1_3: LD1.3 R11.2 | length 1.7
  L1 w0.3: LD1.3@19.25,110.77 R11.2@21,110.77
NetLD1_4: LD1.4 SB10.1 | length 2.2
  L1 w0.3: SB10.1@15.625,110.87 16.445,110.87 16.545,110.77 LD1.4@17.8,110.77
NetLD2_1: LD2.1 R13.1
NetLD3_1: LD3.1 R33.2 | length 1.6
  L1 w0.3: LD3.1@11.5,75.225 12.175,75.225 12.45,74.95 R33.2@12.45,74.45
NetLD4_1: LD4.1 R34.2
NetLD5_1: LD5.1 R38.1
NetLD5_2: LD5.2 R40.1 SB26.1 U7.3
NetLD6_1: LD6.1 R43.1 | length 1.1
  L2 w0.165: R43.1@48.85,4.15 LD6.1@49.925,4.15
NetLD6_2: LD6.2 T1.3 | length 1.7
  L2 w0.165: LD6.2@49.925,5.55 T1.3@51.675,5.55
NetR1_1: R1.1 SB1.2
NetR3_2: R3.2 U3.2 | length 3.1
  L1 w0.3: R3.2@25.75,99.6 26.95,99.6 27.1,99.75 U3.2@28.75,99.75
NetR8_1: R8.1 U3.44 | length 2
  L1 w0.2: U3.44@32.25,101.7 R8.1@32.25,103.65
NetR9_1: R9.1 U3.29 | length 3.1
  L1 w0.2: U3.29@37.25,96.75 40.25,96.75 R9.1@40.3,96.8
NetR27_1: R27.1 U5.12 | length 1.9
  L1 w0.3: R27.1@44.9,70.55 46.3,70.55 46.45,70.7 U5.12@46.7,70.7
NetR28_1: R28.1 U5.11 | length 1.9
  L1 w0.2: R28.1@44.9,71.35 44.9,71.25 44.95,71.2 U5.11@46.7,71.2
NetR29_2: R29.2 U5.7 | length 3.8
  L1 w0.3: R29.2@44.9,74 47.369,74 47.9,73.469 U5.7@47.9,72.9
NetR30_1: R30.1 U5.9 | length 1.9
  L1 w0.2: R30.1@44.9,72.325 45.899,72.325 46.024,72.2 U5.9@46.7,72.2
NetR31_1: R31.1 U5.8 | length 2.6
  L1 w0.3: R31.1@44.9,73.2 45.862,73.2 46.162,72.9 U5.8@47.4,72.9
NetR37_1: R37.1 SB25.2 | length 0.8
  L1 w0.3: SB25.2@39.8,77.4 R37.1@40.6,77.4
NetR39_1: R39.1 SB27.2 U7.4
NRST: CN4.39 P2.12 R19.2 SB24.1 U1.25 U3.31 | length 116.7
  L1 w0.165: CN4.39@22.625,54.025 22.625,56.475 26.425,60.275 35.125,60.275 v1(36.25,59.15) 36.25,62.625 27.05,71.825 27.05,78.275 26.425,78.9 SB24.1@25.4,78.9 v1(25.4,81.85) ; U3.31@37.25,97.75 38.95,97.75 v1(39.025,97.675) 39.925,97.675 40.15,97.9 R19.2@41.075,97.9
  L2 w0.165: v1(25.4,81.85) 25.518,81.85 25.785,81.583 37.808,81.583 39.025,82.8 v1(39.025,97.675) ; v1(36.25,59.15) U1.25@36.25,60.225 36.25,64.15 36.975,64.875 36.975,71.197 38.808,73.03 51.436,73.03 54.248,70.217 58.182,70.217 P2.12@59.74,68.66
PA0: P2.18 SB25.1 U1.34 | length 38.5
  L1 w0.165: SB25.1@39.8,76.6 39.8,72.225 40.125,71.9 41.616,71.9 46.213,67.303 46.213,64.67 v1(46.175,64.632)
  L2 w0.165: U1.34@40.75,60.225 40.75,61.316 44.067,64.632 v1(46.175,64.632) 54.243,64.632 56.525,62.35 58.43,62.35 P2.18@59.74,61.04
PA1: P2.17 U1.35 U6.7 | length 53
  L1 w0.165: U6.7@29.9,79.4 29.275,79.4 28.947,79.728 28.947,81.297 29.625,81.975 37.025,81.975 38.4,80.6 38.4,73.075 39.91,71.565 41.505,71.565 45.588,67.483 45.588,64.137 v1(45.55,64.1)
  L2 w0.165: U1.35@41.25,60.225 41.25,61.37 44.002,64.122 45.527,64.122 v1(45.55,64.1) ; v1@45.522,64.122 45.55,64.15 45.6,64.1 54.14,64.1 P2.17@57.2,61.04
PA2: P2.20 U1.36 U6.6 | length 46
  L1 w0.165: U6.6@29.9,78.75 32.071,78.75 33.018,77.804 39.571,71.25 41.375,71.25 45.017,67.608 45.017,63.572 v1(45.02,63.57)
  L2 w0.165: U1.36@41.75,60.225 41.75,61.425 43.9,63.575 45.014,63.575 v1(45.02,63.57) ; v1@45.022,63.572 45.027,63.567 52.933,63.567 56.8,59.7 58.54,59.7 P2.20@59.74,58.5
PA4: CN4.34 P2.22 R23.2 U1.40 | length 51.1
  L1 w0.165: CN4.34@26.125,54.025 26.125,56.695 27.355,57.925 33.075,57.925 34.025,58.875 35.15,58.875 36.025,58 v1(41.15,58) 41.175,58.025 R23.2@41.175,69.975
  L2 w0.165: v1(41.15,58) 41.15,57.248 41.548,56.85 U1.40@43.6,56.85 54.35,56.85 54.7,57.2 58.5,57.2 P2.22@59.74,55.96
PA5: P2.21 U1.41 | length 13.9
  L2 w0.165: U1.41@43.6,56.35 54.35,56.35 54.85,55.85 57.09,55.85 P2.21@57.2,55.96
PA7: CN5.4 P2.23 U1.43 | length 69.7
  L1 w0.165: CN5.4@50.2,98.04 50.2,97.3 50.625,96.875 53.55,96.875 55.275,95.15 55.275,90.25 61.975,83.55 61.975,54.636 61.878,54.54 58.32,54.54 P2.23@57.2,53.42
  L2 w0.165: U1.43@43.6,55.35 53.65,55.35 55.58,53.42 P2.23@57.2,53.42
PA8: CN5.3 P1.53 R24.1 U1.100 U5.4 | length 121.4
  L1 w0.2: v1(28.283,37.45) 28.283,37.933 28.551,38.201 40.671,38.201 43.517,41.048 43.517,46.048 52.3,54.83 52.3,71.775 51.975,72.1 51.3,72.1 51.1,72.3 R24.1@51.1,72.8 49.85,72.8 49.6,72.55 U5.4@49.6,72.2
  L1 w0.3: CN5.3@50.2,95.5 50.2,94.225 50.45,93.975 54,93.975 54.875,93.1 54.875,77.225 51.1,73.45 R24.1@51.1,72.8
  L2 w0.165: P1.53@5.26,15.32 6.365,16.425 8.269,16.425 15.69,23.846 15.69,30.252 20.331,34.892 26.374,34.892 28.283,36.801 v1(28.283,37.45) 28.25,37.482 U1.100@28.25,38.975
PA9: P1.52 SB16.1 U1.101 | length 137.6
  L2 w0.165: U1.101@27.75,38.975 27.75,36.905 26.052,35.207 20.2,35.207 15.375,30.382 15.375,24.168 9.067,17.86 P1.52@7.8,17.86 6.68,16.74 4.135,16.74 2.76,18.115 2.76,82.33 3.97,83.54 25.635,83.54 26.963,82.213 30.113,82.213 30.458,82.558 30.458,85.933 30.825,86.3 SB16.1@31.76,86.3
PA10: P1.51 R9.2 U1.102 | length 153.4
  L1 w0.165: P1.51@5.26,17.86 6.502,19.102 6.502,23.647 6.107,24.043 3.836,24.043 2.235,25.645 2.235,81.464 4.556,83.785 9.19,83.785 13.417,88.013 32.138,88.013 32.403,87.748 39.623,87.748 42.2,90.325 42.2,96.225 41.675,96.75 R9.2@41.1,96.75
  L2 w0.165: P1.51@5.26,17.86 6.575,19.175 9.175,19.175 15.06,25.06 15.06,30.513 20.07,35.522 25.731,35.522 27.25,37.042 U1.102@27.25,38.975
PA11: CN4.15 P1.50 U1.103 | length 52
  L1 w0.165: v1(27.425,42.033) 27.433,42.025 29.561,42.025 39.425,51.889 CN4.15@39.425,54.025
  L2 w0.165: P1.50@7.8,20.4 9.2,20.4 14.745,25.945 14.745,30.643 19.939,35.837 25.41,35.837 26.75,37.178 26.75,41.24 27.425,41.915 v1(27.425,42.033)
PA12: CN4.14 P1.49 U1.104 | length 54.6
  L1 w0.165: v1(26.273,41.5) 29.482,41.5 40.125,52.143 CN4.14@40.125,54.025
  L2 w0.165: P1.49@5.26,20.4 6.385,21.525 9,21.525 14.43,26.955 14.43,30.774 19.809,36.152 25.088,36.152 26.25,37.314 26.25,41.478 v1(26.273,41.5)
PA13: P1.48 SB19.1 U1.105 | length 131.1
  L2 w0.165: U1.105@25.75,38.975 25.75,37.546 24.671,36.467 19.678,36.467 14.115,30.904 14.115,28.015 9.04,22.94 P1.48@7.8,22.94 6.71,21.85 3.525,21.85 3.075,22.3 3.075,82.2 4.1,83.225 24.8,83.225 26.127,81.898 35.398,81.898 35.633,82.133 35.633,85.858 36.125,86.35 SB19.1@36.84,86.35
PA14: P1.47 SB9.2 U1.109 | length 122.3
  L1 w0.165: P1.47@5.26,22.94 3.866,22.94 1.92,24.886 1.92,81.594 4.426,84.1 9.059,84.1 13.287,88.328 29.425,88.328 30.25,89.152 SB9.2@30.25,89.55
  L2 w0.165: P1.47@5.26,22.94 6.52,24.2 8.675,24.2 13.8,29.325 13.8,31.035 15.3,32.535 15.3,39.366 16.784,40.85 U1.109@22.4,40.85
PA15: P1.46 R26.1 U1.110 U5.2 | length 83.4
  L1 w0.2: v1(23.675,41.3) 23.675,40.175 25.208,38.642 40.618,38.642 43.168,41.192 43.168,46.193 51.1,54.125 R26.1@51.1,70.95 50.65,70.95 50.4,71.2 U5.2@49.6,71.2
  L2 w0.165: P1.46@7.8,25.48 14.985,32.665 14.985,39.496 16.839,41.35 U1.110@22.4,41.35
  L2 w0.2: U1.110@22.4,41.35 23.625,41.35 v1(23.675,41.3)
PB0: CN4.16 P2.28 U1.46 | length 25.5
  L1 w0.165: v1(38.725,52.4) CN4.16@38.725,54.025
  L2 w0.165: v1(38.725,52.4) 40.175,53.85 52.326,53.85 56.576,49.6 58.48,49.6 P2.28@59.74,48.34
PB1: CN4.13 P2.27 U1.47 | length 20.5
  L1 w0.165: v1(40.825,52.45) CN4.13@40.825,54.025
  L2 w0.165: v1(40.825,52.45) 40.825,52.55 41.625,53.35 U1.47@43.6,53.35 51.85,53.35 56.481,48.719 56.497,48.719 56.875,48.34 P2.27@57.2,48.34
PB2: P2.30 U1.48 | length 19.8
  L2 w0.165: U1.48@43.6,52.85 45.025,52.85 45.2,53.025 51.553,53.025 55.075,49.503 55.075,48.45 56.425,47.1 58.44,47.1 P2.30@59.74,45.8
PB3: P1.28 SB13.2 U1.133 | length 85.7
  L1 w0.165: P1.28@7.8,48.34 6.615,49.525 4.675,49.525 3.5,50.7 3.5,76.175 4.71,77.385 8.31,77.385 9.8,78.875 9.8,83.5 13.682,87.382 31.278,87.382 31.761,86.9 v1(31.8,86.9) ; v1(31.825,89.075) SB13.2@31.825,89.55
  L2 w0.165: P1.28@7.8,48.34 9.862,48.34 13.822,52.3 17.08,52.3 17.63,52.85 U1.133@22.4,52.85 ; v1(31.8,86.9) 31.813,86.913 31.813,89.038 v1@31.825,89.05
PB4: P1.25 U1.134 | length 19.2
  L2 w0.165: P1.25@5.26,50.88 6.49,49.65 10.703,49.65 13.803,52.75 17.084,52.75 17.684,53.35 U1.134@22.4,53.35
PB5: P1.26 U1.135 U2.37 | length 70.3
  L1 w0.165: v1(11.718,51.55) 11.718,51.543 11.12,50.945 11.12,29.078 17.95,22.247 32.753,22.247 v1(34.525,20.475)
  L2 w0.165: P1.26@7.8,50.88 7.823,50.903 11.078,50.903 11.718,51.543 v1(11.718,51.55) ; v1@11.725,51.55 13.375,53.2 16.947,53.2 17.597,53.85 U1.135@22.4,53.85 ; v1(34.525,20.475) 35.175,20.475 36.2,19.45 U2.37@36.2,16.8
PB6: P1.23 U1.136 U2.19 | length 72.3
  L1 w0.165: v1(12.525,53.15) 12.525,51.55 11.435,50.46 11.435,29.208 15.808,24.835 32.03,24.835 32.659,25.463 v1(34.907,25.463)
  L2 w0.165: P1.23@5.26,53.42 6.555,52.125 8.525,52.125 9.55,53.15 v1(12.525,53.15) 12.525,53.175 13,53.65 16.761,53.65 17.461,54.35 U1.136@22.4,54.35 ; v1(34.907,25.463) 34.99,25.546 35.571,25.546 37,26.975 U2.19@37,28
PB7: P1.24 U1.137 | length 15.2
  L2 w0.165: P1.24@7.8,53.42 7.851,53.42 8.531,54.1 16.574,54.1 17.324,54.85 U1.137@22.4,54.85
PB12: P2.50 SB28.1 U1.73 | length 61.6
  L1 w0.165: v1(31.125,9.3) 34.41,12.585 49.578,12.585 56.093,19.1 58.44,19.1 P2.50@59.74,20.4
  L2 w0.165: SB28.1@31.125,8.75 v1(31.125,9.3) ; U1.73@41.75,38.975 41.75,36.8 42,36.55 43.145,36.55 55.235,24.46 55.235,23.04 56.475,21.8 58.34,21.8 P2.50@59.74,20.4
PB13: C51.1 CN6.1 P2.49 R44.2 U1.74 U7.1 U8.B3 | length 72.4
  L1 w0.165: v1(34.125,5.825) 32.8,5.825 32.4,6.225 v1(32.4,7.225) 31.45,7.225 30.45,8.225 30.45,9.6 33.75,12.9 49.448,12.9 56.948,20.4 P2.49@57.2,20.4
  L2 w0.165: U8.B3@32.375,7.95 32.375,7.25 v1(32.4,7.225) ; CN6.1@34.125,4.7 v1(34.125,5.825) 34.775,6.475 38.65,6.475 39.225,5.9 C51.1@39.225,4.6 ; U1.74@41.25,38.94 41.25,36.855 41.87,36.235 43.014,36.235 54.92,24.329 54.92,22.68 P2.49@57.2,20.4
PB14: P2.52 R41.1 U1.75 U8.D1 | length 61.3
  L1 w0.165: v1(34.875,9.8) 34.884,9.8 35.267,9.417 44.613,9.417 47.15,11.955 49.839,11.955 54.384,16.5 58.38,16.5 P2.52@59.74,17.86
  L2 w0.165: U8.D1@33.375,8.95 33.65,9.225 34.758,9.225 34.875,9.342 v1(34.875,9.8) ; U1.75@40.75,38.95 40.75,36.909 41.739,35.92 42.884,35.92 54.563,24.241 54.563,21.337 56.7,19.2 58.4,19.2 P2.52@59.74,17.86
PB15: P2.51 R42.1 U1.76 U8.C1 | length 58.6
  L1 w0.165: v1(36.1,9.95) 44.7,9.95 47.02,12.27 49.709,12.27 55.299,17.86 P2.51@57.2,17.86
  L2 w0.165: U8.C1@32.875,8.95 32.875,9.9 33.5,10.525 35.525,10.525 36.125,9.925 R42.1@36.125,9.25 ; U1.76@40.25,38.975 40.25,36.964 41.609,35.605 42.745,35.605 54.248,24.102 54.248,20.812 P2.51@57.2,17.86
PC0: P2.14 U1.26 U2.16 | length 93.7
  L1 w0.165: v1@34.625,29 34.625,28.475 35.16,27.94 42.69,27.94 43.85,29.1 43.85,45.91 54.883,56.942 57.717,56.942 58.5,57.725 58.5,64.88 P2.14@59.74,66.12
  L2 w0.165: U2.16@34.6,28 34.6,29.023 v1(34.625,29.048) ; U1.26@36.75,60.225 36.75,64.189 37.3,64.739 37.3,71.077 38.938,72.715 51.305,72.715 56.72,67.3 58.56,67.3 P2.14@59.74,66.12
PC1: P2.13 U1.27 U6.5 | length 45.6
  L1 w0.165: U6.5@29.9,78.1 29.9,76.53 33.18,73.25 35.7,73.25 v1(37.963,70.987)
  L2 w0.165: U1.27@37.25,60.225 37.25,64.244 37.62,64.614 37.62,70.556 37.963,70.899 v1(37.963,70.987) ; v1@37.95,71 39.35,72.4 51.175,72.4 57.2,66.375 P2.13@57.2,66.12